# KiCad board jorian.kicad_pcb
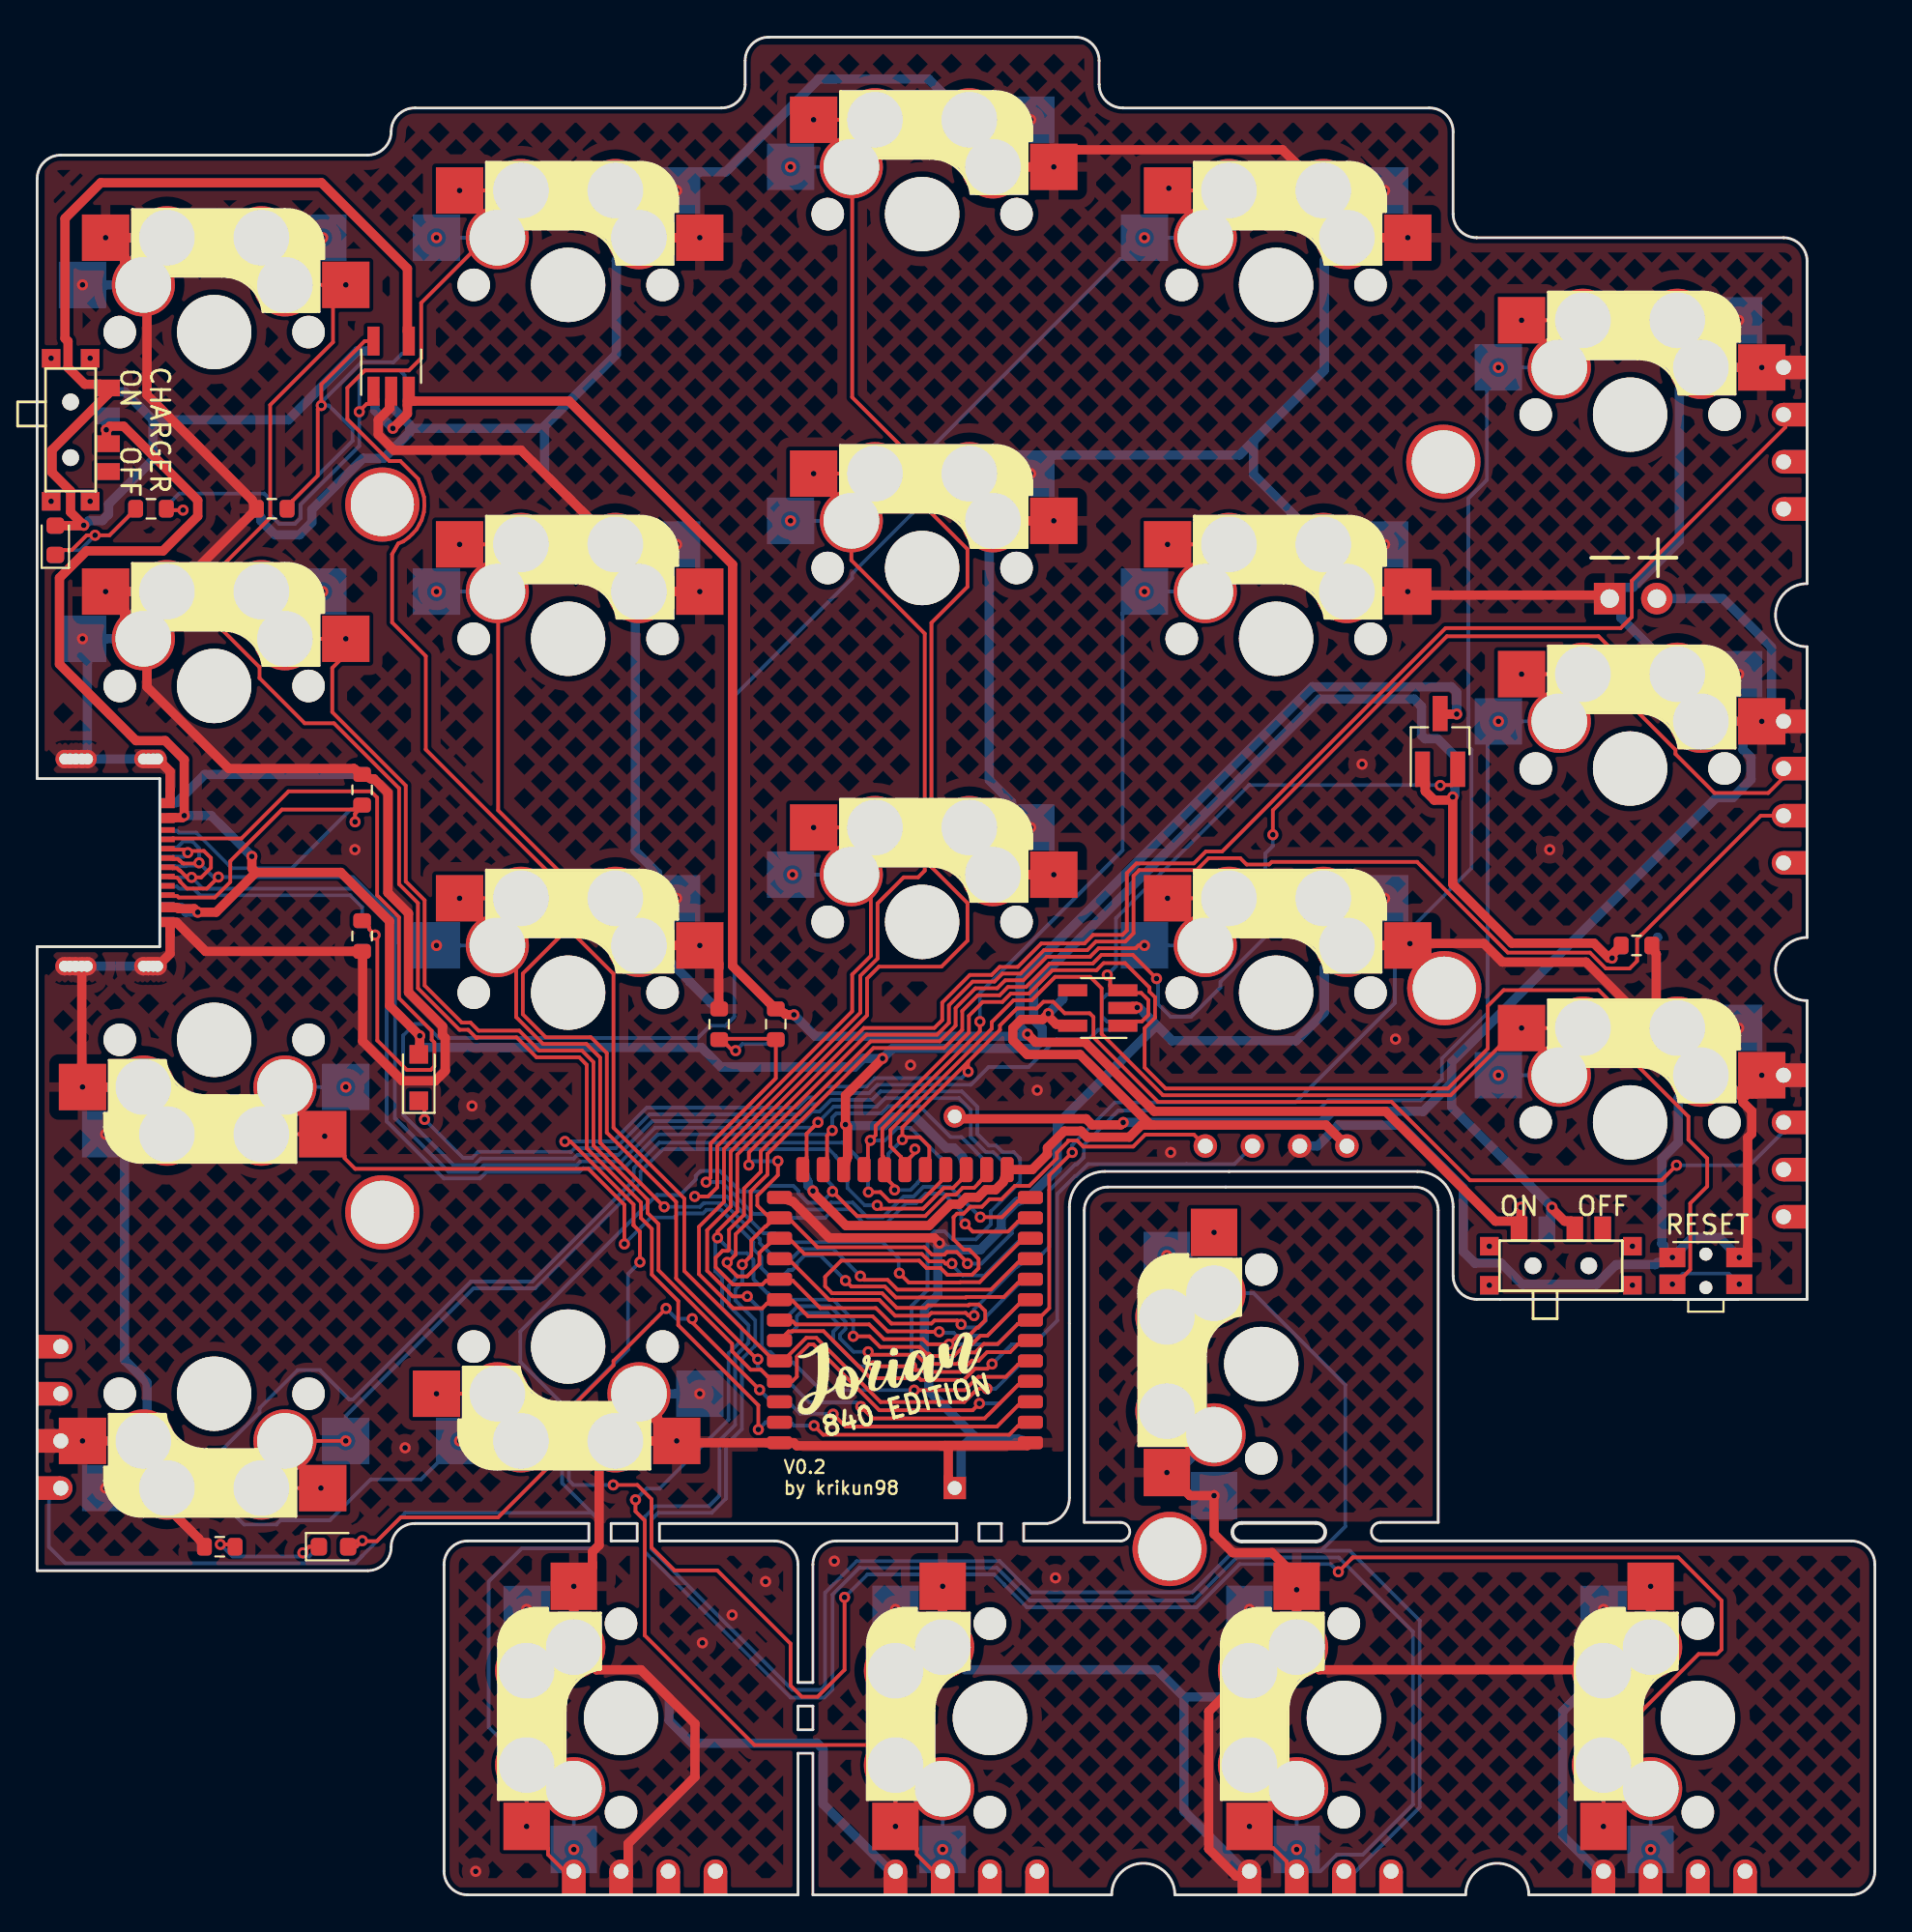
[diagram p0: board, top side]
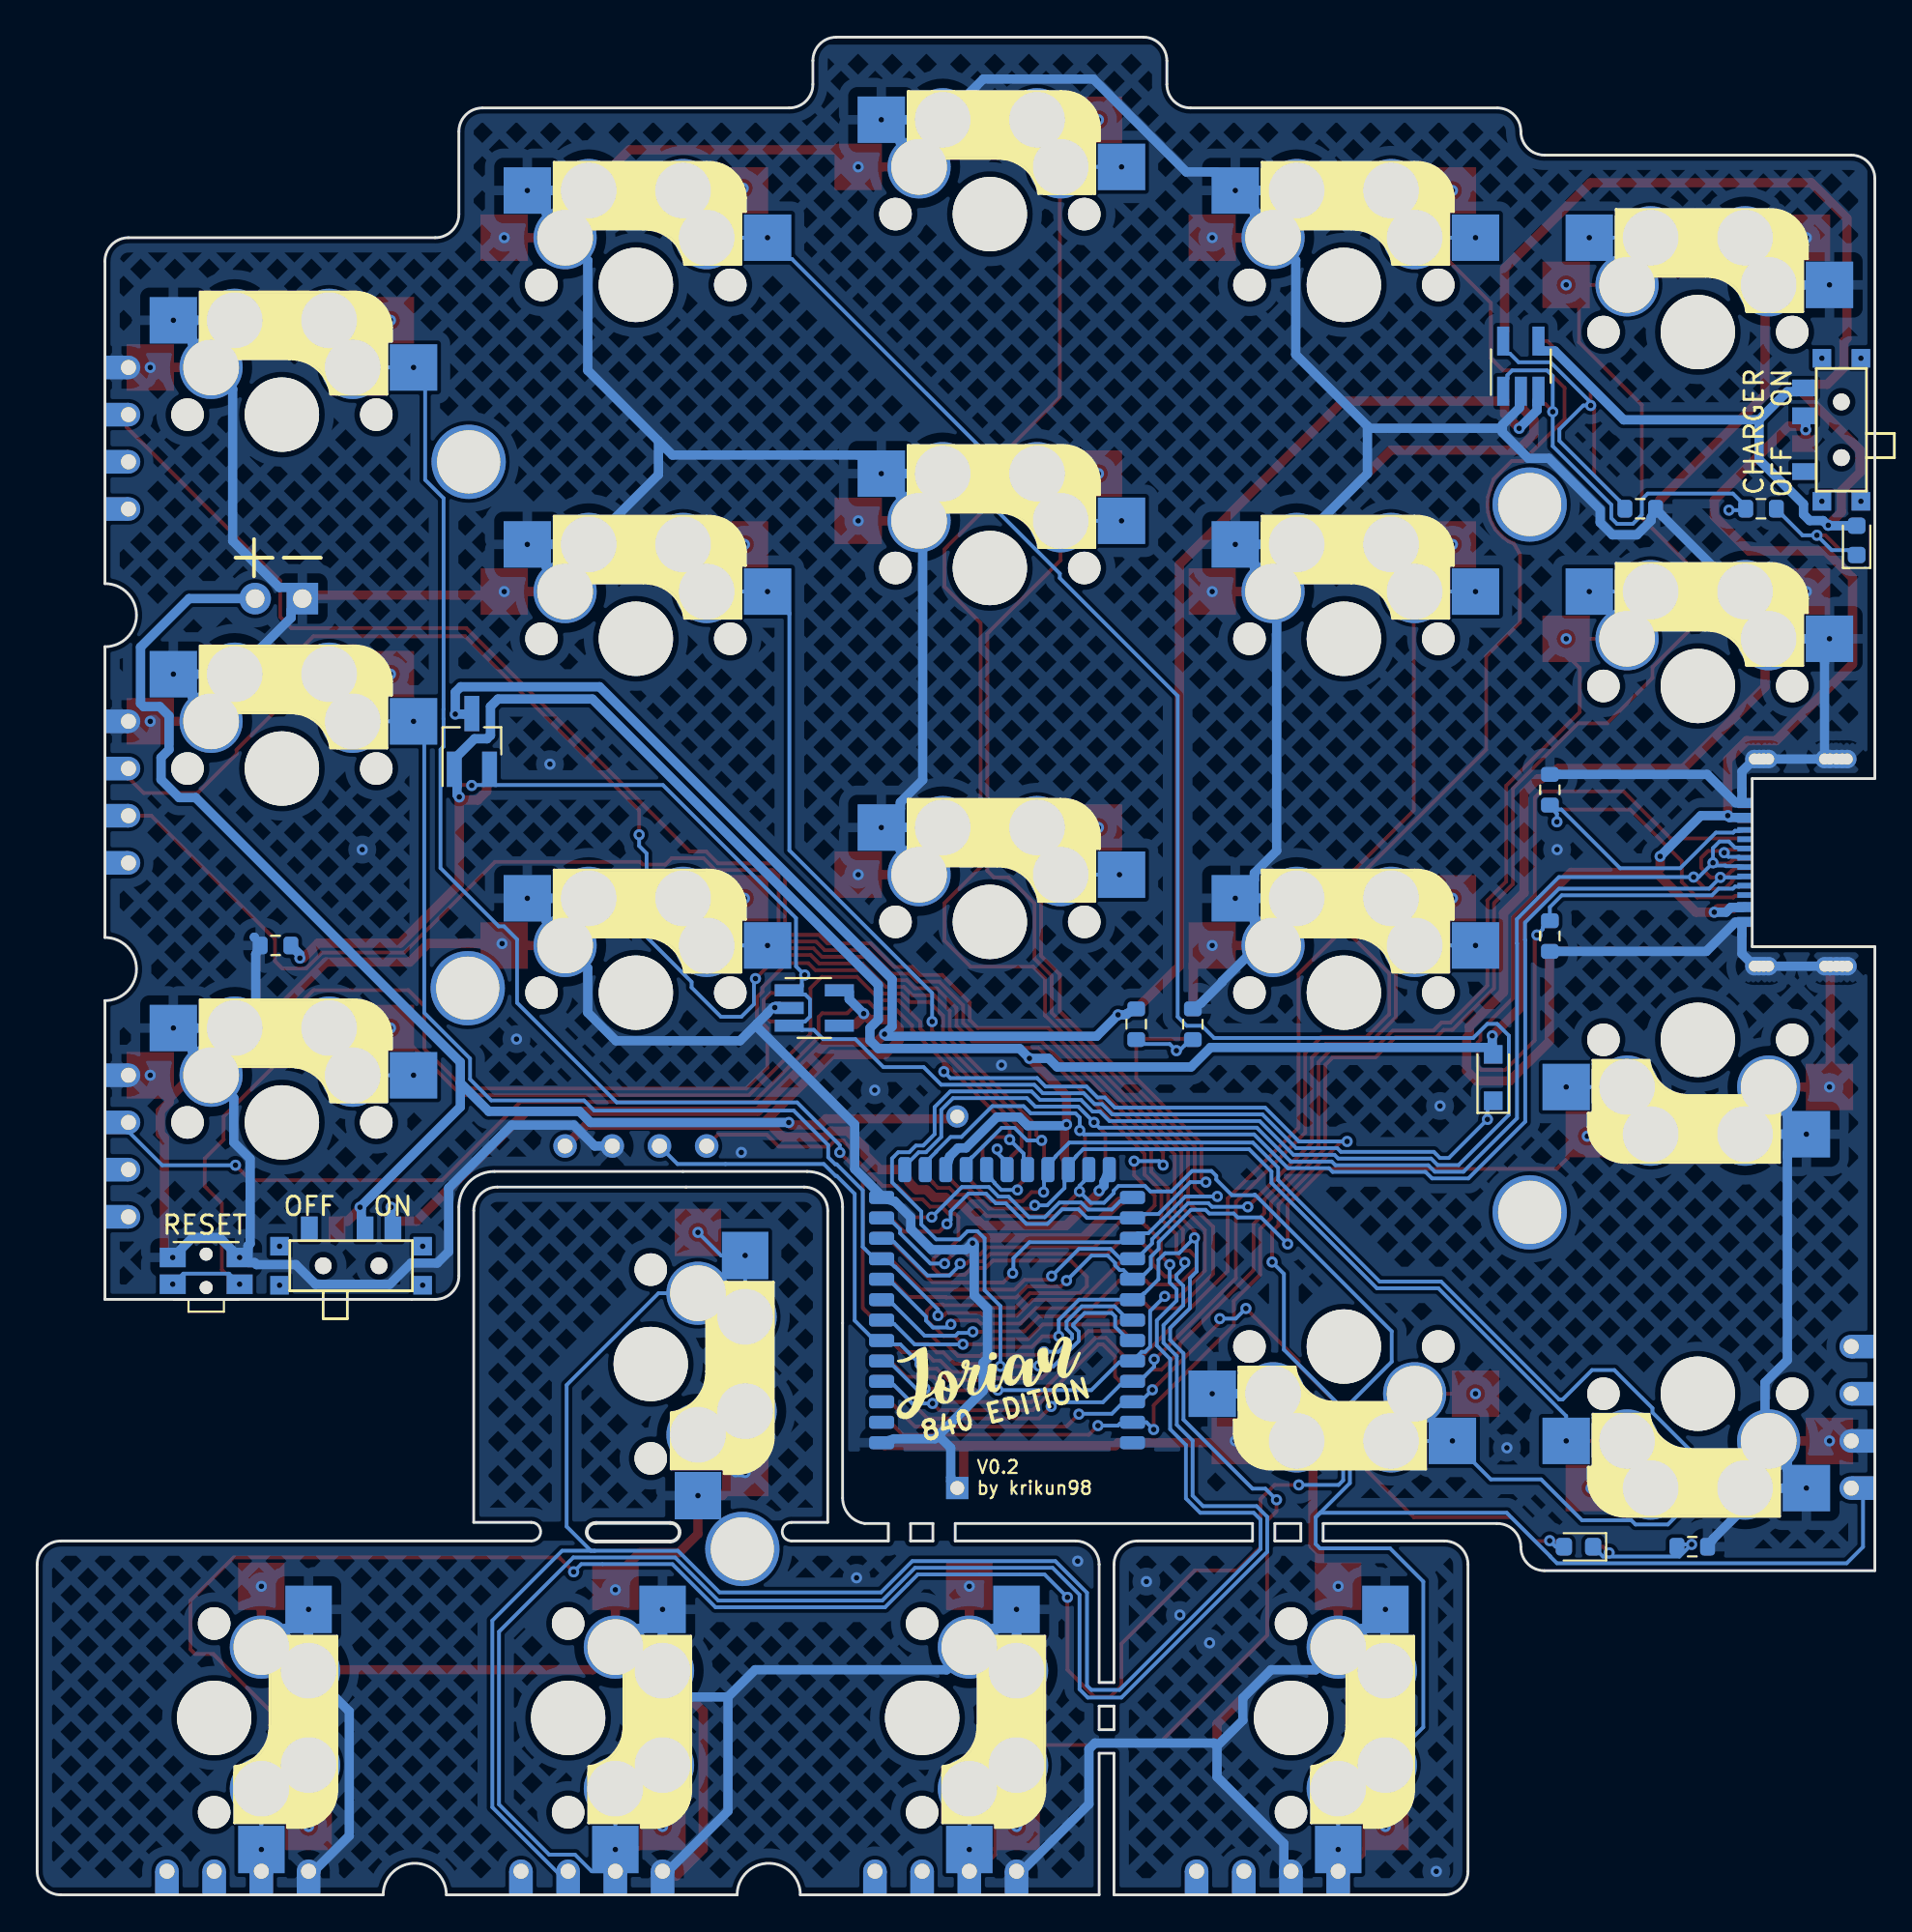
[diagram p1: board, bottom side, seen from below]

Outline 98.89 x 100 mm; copper layers: Top, Bottom. Coordinates in mm from the lower left corner of the outline.
Outline path: 0,92.38 arc(0.37,93.28) 1.27,93.65 17.78,93.65 arc(18.68,94.02) 19.05,94.92 arc(19.42,95.82) 20.32,96.19 36.83,96.19 arc(37.73,96.56) 38.1,97.46 38.1,98.73 arc(38.47,99.63) 39.37,100 55.88,100 arc(56.78,99.63) 57.15,98.73 57.15,97.46 arc(57.52,96.56) 58.42,96.19 74.93,96.19 arc(75.83,95.82) 76.2,94.92 76.2,90.48 arc(76.57,89.58) 77.47,89.21 93.98,89.21 arc(94.88,88.83) 95.25,87.94 95.25,70.59 arc(93.55,68.89) 95.25,67.19 95.25,51.54 arc(93.55,49.84) 95.25,48.14 95.25,32.06 77.47,32.06 arc(76.57,32.43) 76.2,33.33 76.2,37.04 arc(75.64,38.38) 74.29,38.94 57.46,38.94 arc(56.11,38.38) 55.55,37.04 55.55,21.37 arc(55.21,20.46) 54.36,19.99 53.09,19.99 53.09,19.05 58.3,19.05 arc(58.8,19.55) 58.3,20.05 56.35,20.05 56.35,36.83 arc(56.72,37.73) 57.62,38.1 74.13,38.1 arc(75.03,37.73) 75.4,36.83 75.4,20.05 72.3,20.05 arc(71.8,19.55) 72.3,19.05 97.62,19.05 arc(98.52,18.68) 98.89,17.78 98.89,1.27 arc(98.52,0.37) 97.62,0 80.28,0 arc(78.57,1.7) 76.88,0 61.23,0 arc(59.52,1.7) 57.82,0 41.74,0 41.74,7.62 40.95,7.62 40.95,0 23.16,0 arc(22.27,0.37) 21.9,1.27 21.9,17.78 arc(22.27,18.68) 23.16,19.05 29.69,19.05 29.69,19.99 20.32,19.99 arc(19.42,19.62) 19.05,18.72 arc(18.68,17.82) 17.78,17.45 0,17.45 0,51.04 6.6,51.04 6.6,60.09 0,60.09 0,92.38 ; 30.89,19.99 30.89,19.05 32.29,19.05 32.29,19.99 30.89,19.99 ; 33.49,19.99 33.49,19.05 39.68,19.05 arc(40.57,18.68) 40.95,17.78 40.95,11.43 41.74,11.43 41.74,17.78 arc(42.12,18.68) 43.02,19.05 49.49,19.05 49.49,19.99 33.49,19.99 ; 40.95,10.16 40.95,8.89 41.74,8.89 41.74,10.16 40.95,10.16 ; 50.69,19.99 50.69,19.05 51.89,19.05 51.89,19.99 50.69,19.99 ; 64.82,20.02 68.82,20.02 arc(69.32,19.52) 68.82,19.02 64.82,19.02 arc(64.32,19.52) 64.82,20.02
Stack: Top 0.035mm / dielectric 1.51mm FR4 er 4.5 / Bottom 0.035mm

## Placement (name value [footprint] x y rotation side)
BT1  Battery Holder  [cr2032_bs-7]  49.37 29.26 0 top
D1  RED  [LED_0603_1608Metric_REV]  0.98 72.92 90 top
D2  1N5819  [D_SOD-323_HandSoldering_REV]  20.54 43.99 90 top
D3  BLUE  [LED_0603_1608Metric_REV]  15.95 18.74 0 top
E5  left  [edge_conn]  95.25 78.41 0 top
E10  left  [edge_conn]  95.25 59.36 0 top
E15  left  [edge_conn]  95.25 40.31 0 top
E16  right  [edge_conn]  0 25.71 180 bottom
E18  left  [edge_conn]  32.69 0 270 top
E19  right  [edge_conn]  50 0 270 bottom
E20  right  [edge_conn]  69.05 0 270 bottom
E21  right  [edge_conn]  88.1 0 270 bottom
G1  Logo_Open_Hardware_Small  [jorian_logo_840]  46.78 27.59 0 top
G2  Logo_Open_Hardware_Small  [jorian_logo_840]  46.78 27.36 180 bottom
HM1  CaseHole  [M2-MountingHole-Standoff]  18.58 74.84 0 top
HM2  CaseHole  [M2-MountingHole-Standoff]  75.68 77.14 0 top
HM3  CaseHole  [M2-MountingHole-Standoff]  18.58 36.74 0 top
HM4  CaseHole  [M2-MountingHole-Standoff]  75.72 48.81 0 top
HM5  CaseHole  [M2-MountingHole-Standoff]  60.95 18.62 90 top
J1  USB-C Conn  [USB-C_C168688_REV]  0 55.57 90 top
J2  Ex_Bat  [Battery_TH]  84.62 69.78 90 top
JP16  SWD_conn  [connector_swd]  66.68 40.31 180 top
Q1  AO3407  [SOT-23_Handsoldering_REV]  75.5 62.09 90 top
R1  5.1K  [R_0603_1608Metric_REV]  17.49 59.49 90 top
R2  5.1K  [R_0603_1608Metric_REV]  17.49 51.61 270 top
R3  1K  [R_0603_1608Metric_REV]  6.12 74.62 0 top
R4  RPROG  [R_0603_1608Metric_REV]  12.62 74.62 180 top
R5  820K  [R_0603_1608Metric_REV]  39.75 46.87 270 top
R6  2M  [R_0603_1608Metric_REV]  36.7 46.87 90 top
R7  100K  [R_0603_1608Metric_REV]  86.07 51.11 0 top
R8  1K  [R_0603_1608Metric_REV]  9.83 18.74 180 top
RSW1  SW_PUSH  [SW_SPST_EVQP7C_REV]  89.8 33.59 0 top
SW1  SW_PUSH  [MX-HS-SOL-1U-REV]  9.52 84.13 0 top
SW2  SW_PUSH  [MX-HS-SOL-1U-REV]  28.57 86.67 0 top
SW3  SW_PUSH  [MX-HS-SOL-1U-REV]  47.63 90.48 0 top
SW4  SW_PUSH  [MX-HS-SOL-1U-REV]  66.68 86.67 0 top
SW5  SW_PUSH  [MX-HS-SOL-1U-REV]  85.72 79.68 0 top
SW6  SW_PUSH  [MX-HS-SOL-1U-REV]  9.52 65.08 0 top
SW7  SW_PUSH  [MX-HS-SOL-1U-REV]  28.57 67.62 0 top
SW8  SW_PUSH  [MX-HS-SOL-1U-REV]  47.63 71.43 0 top
SW9  SW_PUSH  [MX-HS-SOL-1U-REV]  66.68 67.62 0 top
SW10  SW_PUSH  [MX-HS-SOL-1U-REV]  85.72 60.63 0 top
SW11  SW_PUSH  [MX-HS-SOL-1U-REV]  9.52 46.03 180 top
SW12  SW_PUSH  [MX-HS-SOL-1U-REV]  28.57 48.57 0 top
SW13  SW_PUSH  [MX-HS-SOL-1U-REV]  47.63 52.38 0 top
SW14  SW_PUSH  [MX-HS-SOL-1U-REV]  66.68 48.57 0 top
SW15  SW_PUSH  [MX-HS-SOL-1U-REV]  85.72 41.58 0 top
SW16  SW_PUSH  [MX-HS-SOL-1U-REV]  9.52 26.98 180 top
SW17  SW_PUSH  [MX-HS-SOL-1U-REV]  28.57 29.52 180 top
SW18  SW_PUSH  [MX-HS-SOL-1U-REV]  31.42 9.53 90 top
SW19  SW_PUSH  [MX-HS-SOL-1U-REV]  51.27 9.53 90 top
SW20  SW_PUSH  [MX-HS-SOL-1U-REV]  70.32 9.53 90 top
SW21  SW_PUSH  [MX-HS-SOL-1U-REV]  89.37 9.53 90 top
SW22  SW_PUSH  [MX-HS-SOL-1U-REV]  65.88 28.58 90 top
SW23  SW_SPDT  [SW_SPDT+H-MSK12C01_hor(7pin_SMD)_REV]  82 33.87 0 top
SW24  SW_SPDT  [SW_SPDT+H-MSK12C01_hor(7pin_SMD)_REV]  1.8 78.87 270 top
U1  Holyiot-18010  [Holyiot-18010-nRF52840-REV]  46.7 30.04 180 top
U2  TP4054  [SOT-23-5_HandSoldering_REV]  19.05 82.29 90 top
U3  XC6220B331MR-G  [SOT-23-5_HandSoldering_REV]  57.07 47.74 180 top

## Footprints (pads in the part's own frame, mm; a bottom-side part is the same pattern mirrored in y, then rotated)
Battery_TH
  rect 1.7x1.7 hole 1: 1(0,0)
  oval 1.7x1.7 hole 1: 2(0,-2.54)
connector_swd
  round 1.27 hole 0.81: 1(-3.81,0) 2(-1.27,0) 3(1.27,0) 4(3.81,0)
cr2032_bs-7
  round 1.2 hole 0.75: 1(0.015,12.639)
  rect 1.2x1.2 hole 0.75: 2(0.015,-7.361)
D_SOD-323_HandSoldering_REV
  rect 1x1 smd: 1(-1.25,0) 2(1.25,0)
  rect 1x1 smd far side: 1(-1.25,0) 2(1.25,0)
edge_conn
  round 1.27 hole 0.81: 1(-1.27,3.81) 2(-1.27,1.27) 3(-1.27,-1.27) 4(-1.27,-3.81)
  rect 1.27x1.27 smd: 1(-0.635,3.81) 2(-0.635,1.27) 3(-0.635,-1.27) 4(-0.635,-3.81)
  rect 1.27x1.27 smd far side: 1(-0.635,3.81) 2(-0.635,1.27) 3(-0.635,-1.27) 4(-0.635,-3.81)
Holyiot-18010-nRF52840-REV
  rrect 1.35x0.7 smd: 1(-6.75,5.7) 2(-6.75,4.6) 3(-6.75,3.5) 4(-6.75,2.4) 5(-6.75,1.3) 6(-6.75,0.2) 7(-6.75,-0.9) 8(-6.75,-2) 9(-6.75,-3.1) 10(-6.75,-4.2) 11(-6.75,-5.3) 12(-6.75,-6.4) 13(-6.75,-7.5) 25(6.75,-7.5) 26(6.75,-6.4) 27(6.75,-5.3) 28(6.75,-4.2) 29(6.75,-3.1) 30(6.75,-2) 31(6.75,-0.9) 32(6.75,0.2) 33(6.75,1.3) 34(6.75,2.4) 35(6.75,3.5) 36(6.75,4.6) 37(6.75,5.7)
  rrect 1.35x0.7 smd far side: 1(6.75,5.7) 2(6.75,4.6) 3(6.75,3.5) 4(6.75,2.4) 5(6.75,1.3) 6(6.75,0.2) 7(6.75,-0.9) 8(6.75,-2) 9(6.75,-3.1) 10(6.75,-4.2) 11(6.75,-5.3) 12(6.75,-6.4) 13(6.75,-7.5) 25(-6.75,-7.5) 26(-6.75,-6.4) 27(-6.75,-5.3) 28(-6.75,-4.2) 29(-6.75,-3.1) 30(-6.75,-2) 31(-6.75,-0.9) 32(-6.75,0.2) 33(-6.75,1.3) 34(-6.75,2.4) 35(-6.75,3.5) 36(-6.75,4.6) 37(-6.75,5.7)
  rrect 0.7x1.35 smd: 14(-5.5,-9) 15(-4.4,-9) 16(-3.3,-9) 17(-2.2,-9) 18(-1.1,-9) 19(0,-9) 20(1.1,-9) 21(2.2,-9) 22(3.3,-9) 23(4.4,-9) 24(5.5,-9)
  rrect 0.7x1.35 smd far side: 14(5.5,-9) 15(4.4,-9) 16(3.3,-9) 17(2.2,-9) 18(1.1,-9) 19(0,-9) 20(-1.1,-9) 21(-2.2,-9) 22(-3.3,-9) 23(-4.4,-9) 24(-5.5,-9)
LED_0603_1608Metric_REV
  rrect 0.875x0.95 smd far side: 1(-0.793,0) 2(0.782,0)
  rrect 0.875x0.95 smd: 1(-0.787,0) 2(0.787,0)
M2-MountingHole-Standoff
  round 4 hole 3.4: (0,0)
MX-HS-SOL-1U-REV
  round 1.75 hole 1.75 unplated: (-5.08,0) (5.08,0)
  round 4 hole 4 unplated: (0,0)
  rect 2.55x2.5 smd far side: 1(-7.085,2.54) 2(5.842,5.08)
  rect 2.55x2.5 smd: 1(-5.842,5.08) 2(7.085,2.54)
  round 3.4 hole 3: 1(-3.81,2.54) 1(-2.54,5.08) 2(2.54,5.08) 2(3.81,2.54)
R_0603_1608Metric_REV
  rrect 0.8x0.95 smd: 1(-0.825,0) 2(0.825,0)
  rrect 0.8x0.95 smd far side: 1(-0.825,0) 2(0.825,0)
SOT-23-5_HandSoldering_REV
  rect 1.56x0.65 smd: 1(-1.35,0.95) 2(-1.35,0) 3(-1.35,-0.95) 4(1.35,-0.95) 5(1.35,0.95)
  rect 1.56x0.65 smd far side: 1(-1.35,-0.95) 2(-1.35,0) 3(-1.35,0.95) 4(1.35,0.95) 5(1.35,-0.95)
SOT-23_Handsoldering_REV
  rect 1.9x0.8 smd: 1(-1.5,0.95) 2(-1.5,-0.95) 3(1.5,0)
  rect 1.9x0.8 smd far side: 1(-1.5,-0.95) 2(-1.5,0.95) 3(1.5,0)
SW_SPDT+H-MSK12C01_hor(7pin_SMD)_REV
  round 0.9 hole 0.9 unplated: (-1.5,0) (1.5,0)
  rect 0.9x1.3 smd: 1(-2.25,2) 2(0.75,2) 3(2.25,2)
  rect 0.9x1.3 smd far side: 1(-2.25,2) 2(-0.75,2) 3(2.25,2)
  rect 1x1 smd: H(-3.85,1.05) H(-3.85,-1.05) H(3.85,1.05) H(3.85,-1.05)
  rect 1x1 smd far side: H(-3.85,1.05) H(-3.85,-1.05) H(3.85,1.05) H(3.85,-1.05)
SW_SPST_EVQP7C_REV
  round 0.7 hole 0.7 unplated: (0,0.9) (0,-0.9)
  rect 1.4x1.05 smd: 1(-1.8,-0.72) 1(1.8,-0.72) 2(-1.8,0.72) 2(1.8,0.72)
  rect 1.4x1.05 smd far side: 1(-1.8,-0.72) 1(1.8,-0.72) 2(-1.8,0.72) 2(1.8,0.72)
USB-C_C168688_REV
  rect 0.54x0.8 smd: A1(-3.2,-7) A1(3.2,-7) A4(-2.4,-7) A4(2.4,-7)
  rect 0.54x0.8 smd far side: A1(-3.19,-7) A1(3.21,-7) A4(-2.39,-7) A4(2.41,-7)
  rect 0.3x0.8 smd far side: A5(-1.24,-7) A6(-0.24,-7) A7(0.26,-7) A8(1.26,-7) B5(1.76,-7) B6(0.76,-7) B7(-0.74,-7) B8(-1.748,-7)
  rect 0.3x0.8 smd: A5(1.25,-7) A6(0.25,-7) A7(-0.25,-7) A8(-1.25,-7) B5(-1.75,-7) B6(-0.75,-7) B7(0.75,-7) B8(1.758,-7)
  round 1 hole 0.6: S1(-5.576,-1.473) S1(-5.575,-1.753) S1(-5.575,-2.057) S1(-5.575,-2.4) S1(-5.575,-2.692) S1(-5.575,-6.236) S1(-5.575,-5.719) S1(-5.575,-5.982) S1(-5.575,-6.481) S1(5.575,-1.486) S1(5.575,-1.765) S1(5.575,-2.07) S1(5.575,-2.413) S1(5.575,-2.705) S1(5.575,-6.236) S1(5.576,-5.719) S1(5.576,-5.982) S1(5.576,-6.481)

## Nets
GND: BT1.2 E5.1 E10.1 E15.1 E16.3 E18.3 E19.1 E20.1 E21.1 J1.A1 J1.S1 J2.1 JP16.2 R1.2 R2.2 R4.2 R6.2 R7.2 R8.2 RSW1.2 SW1.1 SW2.2 SW3.2 SW4.2 SW5.2 SW6.1 SW7.2 SW8.2 SW9.2 SW10.2 SW11.2 SW12.2 SW13.2 SW14.2 SW15.2 SW16.2 SW17.1 SW18.2 SW19.2 SW20.2 SW21.2 SW22.1 U1.1 U1.25 U1.37 U2.2 U3.2
VBAT: BT1.1 J2.2 SW23.2
VBAT2: Q1.3 R5.1 SW23.1 U2.3
VBUS: D2.2 J1.A4 Q1.1 R7.1 SW24.2 U1.22
VBUS_C: D1.2 SW24.1 U2.4
BATTERY_PIN: R5.2 R6.1 U1.12
BLUE_LED: D3.2 U1.3
CC1: J1.A5 R2.1
CC2: J1.B5 R1.1
DATA+: J1.A6 J1.B6 U1.24
DATA-: J1.A7 J1.B7 U1.23
nRF_VDD: JP16.1 U1.14 U3.5
PROG: U1.13
R1C1: E5.2 E19.2 SW19.1 U1.8
R1C2: SW5.1 U1.7
R1C3: SW4.1 U1.6
R1C4: SW3.1 U1.5
R1C5: SW2.1 U1.4
R1C6: SW1.2 U1.2
R2C0: E10.3 E20.3 SW22.2 U1.26
R2C1: E10.2 E20.2 SW20.1 U1.27
R2C2: SW10.1 U1.28
R2C3: SW9.1 U1.20
R2C4: SW8.1 U1.30
R2C5: SW7.1 U1.33
R2C6: SW6.2 U1.34
R3C1: E15.2 E21.2 SW21.1 U1.18
R3C2: SW15.1 U1.19
R3C3: SW14.1 U1.29
R3C4: SW13.1 U1.11
R3C5: SW12.1 U1.10
R3C6: SW11.1 U1.9
R4C5: SW17.2 U1.17
R4C6: SW16.1 U1.16
R4C7: E16.4 E18.4 SW18.1 U1.15
reset: RSW1.1 U1.21
SWC: JP16.4 U1.31
SWD: JP16.3 U1.32
Net-(D1-Pad1): D1.1 R3.1
Net-(D2-Pad1): D2.1 Q1.2 U3.1 U3.3
Net-(D3-Pad1): D3.1 R8.1
Net-(R3-Pad2): R3.2 U2.1
Net-(R4-Pad1): R4.1 U2.5

Pads without a net: E5 3 4; E10 4; E15 3 4; E16 1 2; E18 1 2; E19 3 4; E20 4; E21 3 4; J1 A8 B8; SW23 3 H; SW24 3 H; U1 35 36; U3 4

## Via types
v1: diameter 0.6, hole 0.3, Top to Bottom, 211 vias

## Routing (per net, layer and track width the routed paths; a pad name or vN(x,y) marks a point on that pad's centre or on a via; arc(x,y) is an arc through that point)
GND: length 898
  Top w0.5: v1(59.2,47.77) 59.15,47.82 58.96,47.82 U3.2 ; 7.15,52.35 J1.A1 7.15,52.35 ; 7.15,52.35 7.15,51.66 7.15,51.66 7.15,50.66 J1.S1 ; 7.15,52.35 7.5,52.35 9.06,50.79 R2.2 17.51,50.64 17.51,45.95 19.65,43.81 21.42,43.81 21.97,44.36 21.97,46.13 21.82,46.28 21.82,46.75 19.98,48.59 19.98,52.84 18.88,53.94 18.88,59.32 18.13,60.07 17.96,60.07 R1.2 17.05,60.62 17.04,60.63 10.31,60.63 5.91,65.03 5.91,67.42 SW6.1 4.71,68.62 4.71,69.16 v1(3.68,70.16) SW6.1 7.36,70.16 11.44,74.23 11.8,74.62 11.56,75.08 11.56,75.09 5.91,80.74 5.91,86.47 SW1.1 4.71,87.67 4.71,88.21 v1(3.68,89.21) SW1.1 ; v1(48.73,16.61) SW19.2 ; SW13.2 v1(54.71,54.92) ; 91.8,42.87 90.55,44.12 SW15.2 ; 91.8,42.87 92.05,43.12 92.54,43.12 v1(92.81,44.12) E15.1 ; 91.8,42.87 91.8,42.66 92.27,42.19 92.27,40.97 92.05,40.75 92.05,34.59 ; v1(35.66,70.16) SW7.2 ; SW14.2 SW14.2 ; SW14.2 73.77,51.11 v1(73.88,51.21) ; SW14.2 73.87,51.21 77.84,51.21 78.85,50.21 83.35,50.21 86.9,46.66 SW15.2 87.13,47.79 87.13,50.64 R7.2 ; SW2.2 v1(35.66,89.21) ; 48.83,24.18 49.03,23.98 49.03,22.25 BT1.2 ; 48.83,24.18 48.63,24.18 48.63,24.18 40.88,24.18 40.71,24.34 U1.1 35.44,24.34 v1(34.42,24.44) ; 48.83,24.18 48.84,24.19 53.3,24.19 U1.1 ; SW5.2 v1(92.81,82.22) E5.1 ; SW4.2 67.02,93.94 55.74,93.94 v1(54.71,93.02) SW3.2 ; R8.2 8.69,19.18 6.98,20.88 SW16.2 ; SW9.2 v1(73.76,70.16) 74.78,69.97 84.03,69.97 J2.1 ; SW8.2 v1(54.71,73.97) ; v1(34.42,24.44) 33.39,25.44 33.39,25.69 32.38,26.69 SW17.1 ; v1(34.42,24.44) SW17.1 30.24,23.56 30.24,18.82 29.88,18.46 29.88,17.64 v1(28.88,16.61) 28.88,13.34 30.1,12.12 32.49,12.12 35.4,9.21 35.4,6.35 31.8,2.76 31.8,1.02 E18.3 ; E20.1 64.85,1.02 64.5,1.02 63.05,2.47 63.05,9.87 SW20.2 ; J1.A1 7.15,58.79 7.15,59.47 7.15,59.47 7.15,60.47 J1.S1 ; SW7.2 26.04,77.77 19.2,77.77 18.35,78.62 18.35,79.39 18.98,80.02 18.98,80.41 U2.2 ; 67.78,16.61 67.78,13.34 69,12.12 84.24,12.12 84.29,12.07 ; 67.78,16.61 67.78,17.09 66.45,18.42 64.35,18.42 63.34,19.43 v1(63.34,21.49) 62.04,21.49 v1(60.79,22.73) ; 67.78,16.61 v1(67.78,16.42) ; SW12.2 v1(35.66,51.11) 36.68,50.11 36.68,47.84 R6.2 ; E10.1 v1(92.81,63.17) SW10.2 ; v1(73.76,89.21) SW4.2 ; SW11.2 v1(2.44,43.49) 2.4,44.49 J1.S1 ; v1(48.56,35.08) 48.28,35.37 42.62,35.37 40.66,37.33 40.62,37.33 U1.25 ; v1(86.83,16.61) 86.83,13.34 ; SW16.2 v1(2.44,24.44) E16.3
  Bottom w0.5: SW2.2 v1(34.42,91.75) ; 27.31,79.06 27.19,78.94 20.05,78.94 ; 27.31,79.06 27.31,76.5 SW7.2 v1(34.42,72.7) 33.39,71.7 33.39,71.45 32.38,70.44 SW7.2 32.19,69.96 32.19,56.2 33.39,55 33.39,54.65 v1(34.42,53.65) ; 27.31,79.06 31.17,82.92 31.17,87.99 SW2.2 32.38,89.49 33.39,90.5 33.39,90.75 v1(34.42,91.75) ; SW10.2 89.53,63.45 90.54,64.46 90.54,64.71 v1(91.57,65.71) SW10.2 85.22,68.75 85.22,69.18 J2.1 85.22,70.38 85.87,70.38 88.37,72.88 88.37,81.06 SW5.2 89.53,82.5 90.54,83.51 90.54,83.76 v1(91.57,84.76) SW5.2 ; JP16.2 68.89,40.31 70.02,41.44 73.36,41.44 76.75,38.05 76.75,34.62 77.37,34.01 78.78,34.01 79.92,32.87 83.91,32.87 84.97,33.92 87.09,33.92 87.2,34.04 87.55,34.04 ; v1(34.42,91.75) 35.44,92.75 37.05,92.75 42.05,97.75 47.97,97.75 SW3.2 v1(53.47,95.56) 52.44,94.56 52.44,94.31 51.43,93.3 SW3.2 ; 35.4,8.01 35.4,6.35 31.8,2.76 31.8,1.02 E18.3 ; 35.4,8.01 35.56,8.17 41.97,8.17 42.3,7.85 42.3,4.88 45.8,1.37 45.8,1.27 E19.1 ; 35.4,8.01 34.01,9.4 34.01,10.6 32.49,12.12 30.1,12.12 28.88,13.34 28.6,13.34 27.59,14.34 27.34,14.34 v1(26.34,15.37) SW18.2 ; SW11.2 v1(3.68,40.95) ; 50.4,24.72 49.73,24.06 49.73,22.25 BT1.2 ; 50.4,24.72 47.99,27.13 47.99,28.64 47.75,28.88 47.75,31.56 48.47,32.27 48.47,34.99 v1(48.56,35.08) 48.91,34.73 49.54,34.73 49.54,34.73 50.77,34.73 51.88,35.85 51.88,36.47 52.74,37.33 52.78,37.33 U1.25 53.45,37.63 54.9,39.08 54.9,41.47 60.17,46.73 60.17,46.88 ; 50.4,24.72 50.57,24.55 52.78,24.55 U1.1 ; J1.S1 J1.S1 J1.S1 J1.S1 J1.S1 5.72,49.99 J1.S1 J1.S1 5.98,49.99 J1.S1 6.48,49.99 J1.S1 7.15,50.66 7.15,51.67 7.15,51.67 7.15,52.36 ; v1(3.68,40.95) 4.71,39.95 4.71,28.78 5.91,27.58 5.91,24.63 SW16.2 4.71,23.43 4.71,22.9 v1(3.68,21.9) SW16.2 6.98,20.88 8.69,19.18 R8.2 ; v1(3.68,40.95) 4.71,41.95 4.71,42.48 SW11.2 ; SW1.1 v1(2.44,86.67) ; 65.46,78.26 69.27,82.06 69.27,87.99 SW4.2 70.49,89.49 71.49,90.5 71.49,90.75 v1(72.52,91.75) SW4.2 ; 65.46,78.26 65.46,76.45 SW9.2 v1(72.52,72.7) 71.49,71.7 71.49,71.45 70.49,70.44 SW9.2 ; 65.46,78.26 64.71,77.51 54.49,77.51 v1(53.47,76.51) ; 20.05,78.94 20.05,79.13 19.12,80.05 19.12,80.41 U2.2 ; 20.05,78.94 20.05,78.73 18.65,77.33 17.54,77.33 14.78,74.57 14.78,73.87 14.12,73.21 12.8,73.21 12.04,73.97 12.04,74.15 11.8,74.62 11.44,74.23 7.36,70.16 SW6.1 ; R2.2 9.07,50.79 7.5,52.36 7.15,52.36 ; 7.15,58.8 J1.A1 7.15,58.8 ; 7.15,58.8 7.5,58.8 9.02,60.31 R1.2 ; 7.15,58.8 7.15,59.48 7.15,59.48 7.15,60.47 J1.S1 J1.S1 J1.S1 J1.S1 J1.S1 ; SW22.1 62.07,24.77 SW22.1 61.3,22.73 v1(60.79,22.73) ; v1(53.47,57.46) 52.44,58.46 52.44,58.81 51.24,60.01 51.24,73.77 SW8.2 51.43,74.25 52.44,75.26 52.44,75.51 v1(53.47,76.51) ; v1(53.47,57.46) SW13.2 ; v1(53.47,57.46) 52.44,56.46 52.44,56.21 51.43,55.2 SW13.2 ; v1(53.47,76.51) SW8.2 ; E21.1 83.91,1.27 83.91,1.37 82.1,3.18 82.1,9.87 84.29,12.07 v1(84.29,15.37) 85.29,14.34 85.54,14.34 86.55,13.34 86.83,13.34 ; v1(34.42,53.65) 33.39,52.65 33.39,52.4 32.38,51.39 SW12.2 33.19,51.11 35.12,49.17 35.12,49.14 36.26,48 R6.2 ; v1(34.42,53.65) SW12.2 ; v1(91.6,34.31) 90.52,35.39 89.08,35.39 v1(88,34.31) ; 60.17,46.88 61.07,45.97 67.75,45.97 69.27,47.49 69.27,49.89 SW14.2 70.49,51.39 71.49,52.4 71.49,52.65 v1(72.52,53.65) SW14.2 ; 60.17,46.88 59.6,47.45 59.6,47.47 59.3,47.77 v1(59.2,47.77) 59.15,47.82 58.96,47.82 U3.2 ; 61.72,10.65 60.26,12.12 49.95,12.12 SW19.2 48.45,13.34 47.44,14.34 47.19,14.34 v1(46.19,15.37) SW19.2 ; 61.72,10.65 61.72,4.51 64.85,1.37 64.85,1.27 E20.1 ; 61.72,10.65 63.83,10.65 SW20.2 v1(65.24,15.37) 66.24,14.34 66.49,14.34 67.5,13.34 67.78,13.34 ; J1.S1 1.77,61.14 J1.S1 J1.S1 J1.S1 J1.S1 ; 7.15,52.36 J1.A1 7.15,52.36 ; J1.S1 2.71,66.62 v1(2.44,67.62) SW6.1 ; v1(35.66,26.98) SW17.1 ; 87.21,51.55 87.2,51.54 ; 87.55,34.59 87.55,34.94 87.43,35.06 87.43,39.62 88.32,40.51 88.32,42.9 SW15.2 89.53,44.4 90.54,45.41 90.54,45.66 v1(91.57,46.66) SW15.2 87.13,47.79 87.13,50.64 R7.2